# Altium PCB Hydrophone2012.PcbDoc (part 2 of 3)
Units mil, origin at the board's own origin, x right, y up, seen from the top; angles counter-clockwise.
Board outline 4800 x 2625 mil, 4 copper layers (Top Layer, PWR, GND, Bottom Layer); 354 components, 154 nets, 1267 pads, 483 vias.
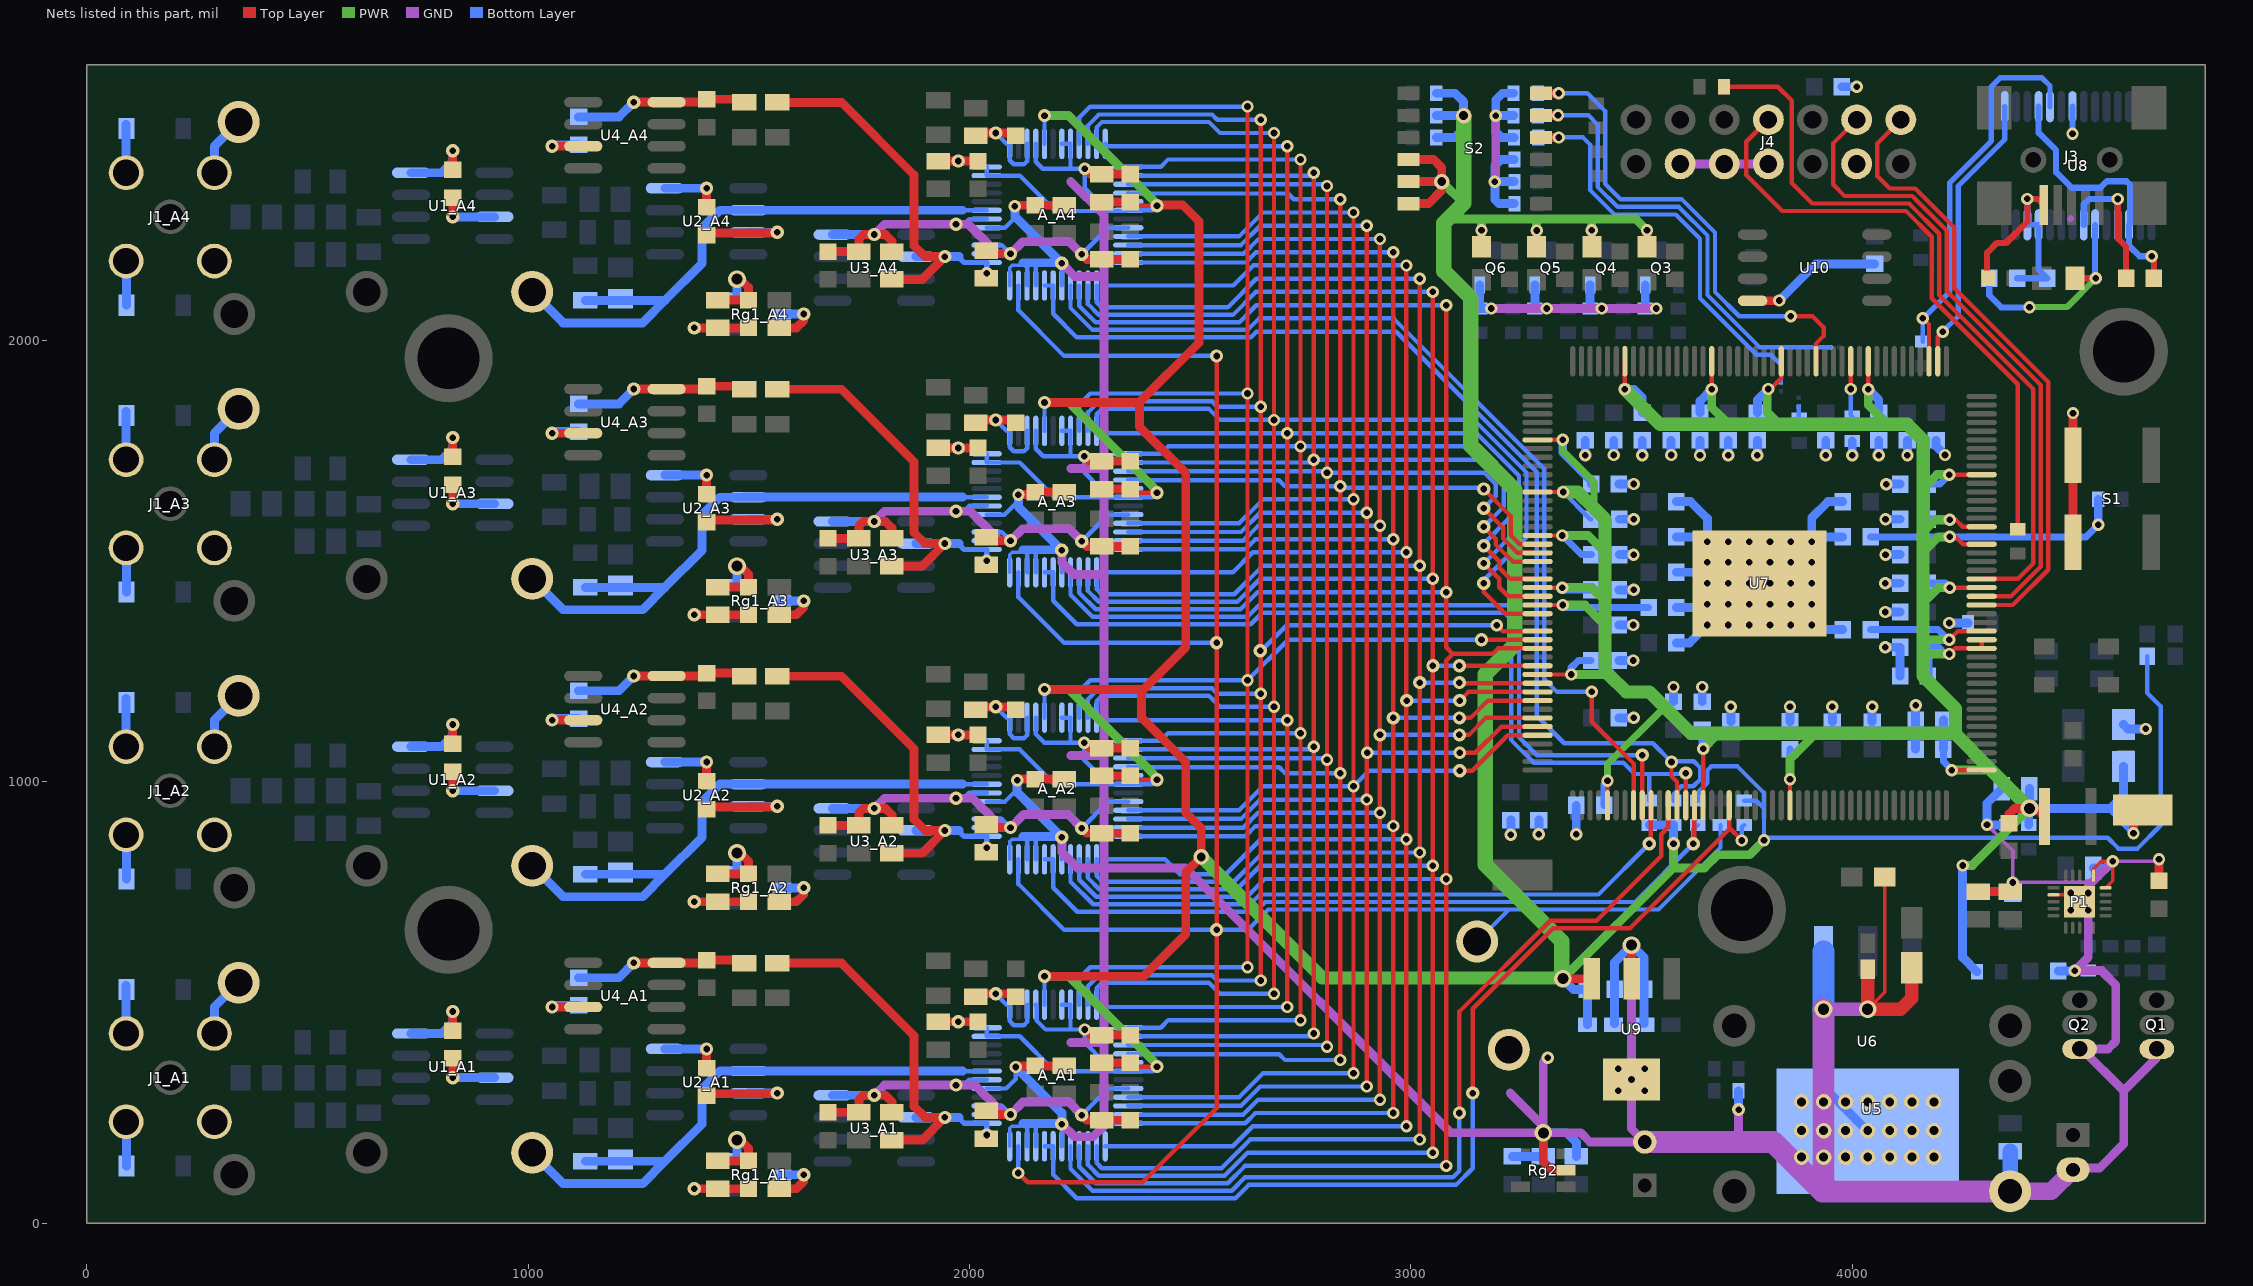
[diagram p4: the nets of this part, all layers, seen from the top]

## Via types
v1: diameter 28, hole 15, Top Layer to Bottom Layer, tented both sides, 277 vias
v2: diameter 30, hole 15, Top Layer to Bottom Layer, tented both sides, 161 vias
v3: diameter 35, hole 20, Top Layer to Bottom Layer, tented both sides, 25 vias
v4: diameter 40, hole 25, Top Layer to Bottom Layer, tented both sides, 14 vias
v5: diameter 28, hole 15, Top Layer to Bottom Layer, 3 vias
v6: diameter 28, hole 15, Top Layer to Bottom Layer, tented bottom, 1 vias
v7: diameter 28, hole 15, Top Layer to Bottom Layer, tented top, 1 vias
v8: diameter 30, hole 15, Top Layer to Bottom Layer, 1 vias

## Nets (pads, with @x,y where several pads share a name; then routed paths per layer and width w, separated by ;. In a path a pad name is that pad's centre, name@x,y a point inside that pad or via, vN(x,y) a via of type N, cw(c..) or ccw(c..) an arc to the next point about the centre after c; other vN are vias at no path point)
3.3V: A_A1.5 A_A1.18 A_A1.47 A_A1.48 A_A2.5 A_A2.18 A_A2.47 A_A2.48 A_A3.5 A_A3.18 A_A3.47 A_A3.48 A_A4.5 A_A4.18 A_A4.47 A_A4.48 C8_A1.2 C8_A2.2 C8_A3.2 C8_A4.2 C9_A1.2 C9_A2.2 C9_A3.2 C9_A4.2 C43.1 C45.2 L1.2 L2.2 L3.2 L4.2 R19.2 R32.1 R33.1 R34.1 R41.2 R42.2 R43.2 R44.2 S2.4 S2.5 S2.6 U9.3 | length 13707.4
  Top Layer w10: v2@2169.5,560 v2(2169.97,559.53) ; v2@2169.5,1210 v2(2169.97,1209.53) ; v2@2169.5,1860 v2(2169.97,1859.53) ; v2@2169.5,2510 v2(2169.97,2509.53) ; C9_A1.2@2364.5,363.5 C9_A1.2@2373,355 ; C9_A2.2@2364.5,1013.5 C9_A2.2@2373,1005 ; C9_A3.2@2364.5,1663.5 C9_A3.2@2373,1655 ; C9_A4.2@2364.5,2313.5 C9_A4.2@2373,2305 ; C9_A1.2@2365,360 2370,355 C9_A1.2@2373,355 ; C9_A2.2@2365,1010 2370,1005 C9_A2.2@2373,1005 ; C9_A3.2@2365,1660 2370,1655 C9_A3.2@2373,1655 ; C9_A4.2@2365,2310 2370,2305 C9_A4.2@2373,2305 ; v2@2425,360 v2(2425,355) C9_A1.2@2373,355 ; v2@2425,1010 v2(2425,1005) C9_A2.2@2373,1005 ; v2@2425,1660 v2(2425,1655) C9_A3.2@2373,1655 ; v2@2425,2310 v2(2425,2305) C9_A4.2@2373,2305 ; v1@3799.84,867.36 v1(3800,867.52)
  Top Layer w20: v2(2169.97,559.53) 2394.53,559.53 2490,655 2490,795 v3(2525,830) 2525,895 2490,930 2490,1045 2390,1145 2390,1205 ; v2(2169.97,1209.53) 2385.47,1209.53 2390,1205 ; v2(2169.97,1859.53) 2384.53,1859.53 2385,1860 ; C8_A1.2@2299.5,363.5 C9_A1.2@2364.5,363.5 ; C8_A2.2@2299.5,1013.5 C9_A2.2@2364.5,1013.5 ; C8_A3.2@2299.5,1663.5 C9_A3.2@2364.5,1663.5 ; C8_A4.2@2299.5,2313.5 C9_A4.2@2364.5,2313.5 ; v2(2425,2305) 2427,2307 2483,2307 2520,2270 2520,1995 2385,1860 ; S2.6@2995,2310 3040,2310 3070,2340 v3(3070,2360) ; S2.5@2995,2360 v3(3070,2360) ; S2.4@2995,2410 3051.5,2410 3070,2391.5 v3(3070,2360) ; L4.2@3160,2212.4 v1(3160,2250) ; L3.2@3285,2212.4 v1(3285,2249.08) ; v4(3344.17,554.17) U9.3@3409.45,554.17 ; L2.2@3410,2212.4 v1(3410,2249.45) ; L1.2@3535,2212.4 v1(3535,2250) ; 2385,1860 2385,1805 2490,1700 2490,1305 2390,1205
  PWR w20: v2(2169.97,559.53) 2224.66,559.53 v2@2417.19,367 ; v2(2169.97,1209.53) 2224.66,1209.53 v2@2417.19,1017 ; v2(2169.97,1859.53) 2224.66,1859.53 v2@2417.19,1667 ; v2(2169.97,2509.53) 2224.66,2509.53 v2@2417.19,2317 ; v3(3070,2360) 3119.53,2310.47 ; 3084.06,2275 3160,2275 ; v1(3160,2250) 3160,2275 ; v1(3285,2249.08) 3285,2275 ; v4(3344.17,554.17) 3595,805 ; v1(3410,2249.45) 3410,2275 ; v1(3535,2250) 3510,2275 3410,2275 ; v2(3595,860) 3595,805 ; v1(3800,867.52) 3767.48,835 3695,835 3665,805 3595,805 ; 3160,2275 3285,2275 ; 3285,2275 3410,2275
  PWR w30: v3(2525,830) 2799,556 3342.35,556 v4(3344.17,554.17)
  PWR w35: v3(3119.53,2509.53) 3119.53,2310.47 3084.06,2275 3075,2265.94 3075,2157 3136,2096 3136,1761.47 3235,1662.47 3235,1310 3169,1244 3169,812 3342.35,638.65 v4@3342.35,556
  Bottom Layer w10: A_A1.48@2039.07,443.27 A_A1.47@2039.07,423.58 2114.2,423.58 2192.94,344.84 A_A1.18@2359.93,344.84 2414.84,344.84 v2(2425,355) ; A_A2.48@2039.07,1093.27 A_A2.47@2039.07,1073.58 2114.1,1073.58 2192.84,994.84 A_A2.18@2359.93,994.84 2414.84,994.84 v2(2425,1005) ; A_A3.48@2039.07,1743.27 A_A3.47@2039.07,1723.58 2114.1,1723.58 2192.84,1644.84 A_A3.18@2359.93,1644.84 2414.84,1644.84 v2(2425,1655) ; A_A4.48@2039.07,2393.27 A_A4.47@2039.07,2373.58 2114.1,2373.58 2194.3,2293.39 2358.48,2293.39 A_A4.18@2359.93,2294.84 2414.84,2294.84 v2(2425,2305) ; A_A1.5@2169.97,495.43 v2(2169.97,559.53) ; A_A2.5@2169.97,1145.43 v2(2169.97,1209.53) ; A_A3.5@2169.97,1795.43 v2(2169.97,1859.53) ; A_A4.5@2169.97,2445.43 v2(2169.97,2509.53) ; R44.2@3650,957.56 3650,975.96 3672,997.96 3672,1026.21 3680.79,1035 3740,1035 3800,975 3800,940 ; R41.2@3755,957.56 3782.44,957.56 3800,940 ; R19.2@4668.5,1285 4668.5,1201.5 4699,1171 4699,901.78 4646.22,849 4603,849 4578.78,873.22 3805.7,873.22 v1(3800,867.52) 3800,940
  Bottom Layer w20: R34.1@3057.56,2460 3100,2460 3119.53,2479.53 v3(3119.53,2509.53) ; R33.1@3057.56,2509.53 v3(3119.53,2509.53) ; R32.1@3057.56,2560 3100,2560 3119.53,2540.47 v3(3119.53,2509.53) ; v4(3344.17,554.17) 3368.35,530 C45.2@3398.5,530 3400.47,528.03 C43.1@3400.47,450 ; R43.2@3540,902.44 R42.2@3595,902.44 v2(3595,860)
3.3V-USB: C49.2 U8.4 U8.17 | length 608.9
  Top Layer w14: v1(4678.13,2190.86) 4683.29,2185.7 C49.2@4683.29,2140.86
  Bottom Layer w14: U8.4@4422.23,2529.72 4422.23,2470.43 4461.8,2430.86 4461.8,2380.86 4496.8,2345.86 4561.8,2345.86 4576.8,2360.86 4621.17,2360.86 4629.36,2352.66 4629.36,2264.41 U8.17@4626.95,2262 4626.95,2214.91 4651.01,2190.86 v1(4678.13,2190.86)
5V-USB: C50.2 C51.2 FB1.2 U8.20 | length 534.9
  Top Layer w14: FB1.2@4504.2,2140.86 v1(4551.8,2140.86)
  PWR w14: v1(4401.5,2075) 4402.35,2075.86 4486.8,2075.86 v1(4551.8,2140.86)
  Bottom Layer w14: C50.2@4310.3,2140.86 4310.3,2102.35 4337.65,2075 v1(4401.5,2075) ; C51.2@4504.91,2140.86 v1(4551.8,2140.86) 4550.18,2142.47 U8.20@4550.18,2262
ADC_CS1: A_A1.31 A_A1.32 R41.1 U7.107 | length 2327.1
  Top Layer w10: v2(3140,295) 3140,485.96 3322.79,668.75 3496.43,668.75 3721.1,893.43 3721.1,896.26 ; U7.107@3721.1,947.05 3721.1,896.26 ; v1(3750,867.36) 3721.1,896.26
  Bottom Layer w10: A_A1.32@2169.97,174.57 A_A1.31@2189.66,174.57 2189.66,110.34 2243,57 2602.5,57 2632.5,87 3102.19,87 3140,124.81 v2(3140,295) ; v1(3750,867.36) 3750,897.44 R41.1@3755,902.44
ADC_CS2: A_A2.31 A_A2.32 R44.1 U7.103 | length 1750.5
  Top Layer w10: v2@3640,865 3642.36,867.36 U7.103@3642.36,947.05
  Bottom Layer w10: A_A2.32@2169.97,824.57 A_A2.31@2189.66,824.57 2189.66,760.34 2244.37,705.63 2647.63,705.63 2670,728 3508,728 v2(3640,860) 3640,892.44 R44.1@3650,902.44
ADC_CS3: A_A3.31 A_A3.32 R43.1 U7.102 | length 1995.2
  Top Layer w10: U7.102@3622.68,947.05 v2(3622.68,1020)
  Bottom Layer w10: A_A3.32@2169.97,1474.57 A_A3.31@2189.66,1474.57 2189.66,1410.34 2243,1357 2637.11,1357 2663.11,1383 3212,1383 3227,1368 3227,1095.02 3278.27,1043.75 3481.25,1043.75 3507,1018 3540,1018 ; R43.1@3540,957.56 3540,1018 ; v2(3622.68,1020) 3620.68,1018 3540,1018
ADC_CS4: A_A4.31 A_A4.32 R42.1 U7.101 | length 2529.9
  Top Layer w10: v2(3590.47,1045) 3590.47,1013.03 3602.99,1000.51 U7.101@3602.99,947.05
  Bottom Layer w10: A_A4.32@2169.97,2124.57 A_A4.31@2189.66,2124.57 2189.66,2060.34 2243,2007 2637.11,2007 2650.11,2020 2966.9,2020 3285,1701.9 3285,1150 3347.25,1087.75 3547.72,1087.75 v2(3590.47,1045) 3592.47,1047 3640.68,1047 3655,1032.68 3655,1005 3640,990 3612.56,990 3595,972.44 R42.1@3595,957.56
AGND_A1: A_A1.1 A_A1.3 A_A1.20 A_A1.38 A_A1.39 A_A1.42 C6_A1.2 C7_A1.1 C10_A1.2 C11_A1.1 C12_A1.1 C13_A1.1 C14_A1.1 C15_A1.1 C16_A1.1 C17_A1.1 C18_A1.1 C19_A1.1 C20_A1.1 C21_A1.2 C24_A1.1 C25_A1.1 C26_A1.1 D1_A1.1 D2_A1.2 J1_A1.2 NT_A1.2 R8_A1.2 Rg1_A1.2 T1_A1.1 U1_A1.4 U2_A1.4 U3_A1.4 U4_A1.4 | length 2955.7
  Top Layer w20: C6_A1.2@829.5,436.5 v2(829.5,480) ; v2(1239.5,590) U4_A1.4@1313.99,590 C20_A1.1@1403,590 ; v2(1376.5,78.5) C25_A1.1@1429.5,78.5 C26_A1.1@1499.5,78.5 ; C7_A1.1@1404.5,351.5 v2(1404.5,395) ; C20_A1.1@1404.5,596.5 R8_A1.2@1482.37,596.5 ; C24_A1.1@1569.5,78.5 1608,78.5 1624.5,95 v2(1624.5,110) ; C10_A1.2@1679.5,251.5 C11_A1.1@1749.5,251.5 1749.5,280 1759.5,290 v2(1784.5,290) 1809.5,290 1824.5,275 C12_A1.1@1824.5,251.5 ; C16_A1.1@1929.5,456.5 v2(1974.5,456.5) C17_A1.1@2019.5,456.5 ; C18_A1.1@2021,520 v2(2059.5,520) 2098,520 C19_A1.1@2104.5,513.5 ; C15_A1.1@2038,254.5 2046.08,246.42 v2(2093.08,246.42) v2@2096.67,250 ; v2(2254.39,245.17) 2266.06,233.5 C13_A1.1@2299.5,233.5 C14_A1.1@2364.5,233.5
  GND w20: v2(1784.5,290) 1807.66,313.16 v2(1969.5,313.16) 2012.67,313.16 2079.41,246.42 v2(2093.08,246.42) 2121.67,275 2224.56,275 v2(2254.39,245.17)
  Bottom Layer w10: v2(1969.5,313.16) 1971.34,315 1989.5,315 1999.66,325.16 A_A1.42@2039.07,325.16 ; A_A1.38@2039.07,246.42 v2(2093.08,246.42) 2073.4,266.1 A_A1.39@2039.07,266.1 ; v2(2059.5,520) 2084.07,495.43 A_A1.1@2091.23,495.43 2091.23,458.27 2100.52,448.98 2123.48,448.98 2130.6,456.1 A_A1.3@2130.6,495.43 ; v2(2254.39,245.17) 2314.69,305.47 A_A1.20@2359.93,305.47
  Bottom Layer w20: J1_A1.2@89.5,430 D1_A1.1@89.5,539.5 ; D2_A1.2@90,130 J1_A1.2@90,229.5 ; J1_A1.2@289.5,430 289.5,490 T1_A1.1@344.5,545 ; U1_A1.4@735.01,430 804.5,430 829.5,455 v2(829.5,480) ; C21_A1.2@1114.5,556.5 1206,556.5 v2(1239.5,590) ; U2_A1.4@1310.01,395 v2@1399.5,395 ; Rg1_A1.2@1575.68,110 v2(1624.5,110) ; U3_A1.4@1690.01,290 v2(1784.5,290)
AGND_A2: A_A2.1 A_A2.3 A_A2.20 A_A2.38 A_A2.39 A_A2.42 C6_A2.2 C7_A2.1 C10_A2.2 C11_A2.1 C12_A2.1 C13_A2.1 C14_A2.1 C15_A2.1 C16_A2.1 C17_A2.1 C18_A2.1 C19_A2.1 C20_A2.1 C21_A2.2 C24_A2.1 C25_A2.1 C26_A2.1 D1_A2.1 D2_A2.2 J1_A2.2 NT_A2.2 R8_A2.2 Rg1_A2.2 T1_A2.1 U1_A2.4 U2_A2.4 U3_A2.4 U4_A2.4 | length 2956.4
  Top Layer w20: C6_A2.2@829.5,1086.5 v2(829.5,1130) ; v2(1239.5,1240) C20_A2.1@1403,1240 ; v2(1376.5,728.5) C25_A2.1@1429.5,728.5 C26_A2.1@1499.5,728.5 ; C7_A2.1@1404.5,1001.5 v2(1404.5,1045) ; C20_A2.1@1404.5,1246.5 R8_A2.2@1482.37,1246.5 ; C24_A2.1@1569.5,728.5 1608,728.5 1624.5,745 v2(1624.5,760) ; C10_A2.2@1679.5,901.5 C11_A2.1@1749.5,901.5 1749.5,930 1759.5,940 v2(1784.5,940) 1809.5,940 1824.5,925 C12_A2.1@1824.5,901.5 ; C16_A2.1@1929.5,1106.5 v2(1974.5,1106.5) C17_A2.1@2019.5,1106.5 ; C18_A2.1@2021,1170 v2(2059.5,1170) 2098,1170 C19_A2.1@2104.5,1163.5 ; C15_A2.1@2038,903.5 2045.08,896.42 v2(2093.08,896.42) v2@2096.67,900 ; v2(2254.39,895.17) 2266.06,883.5 C13_A2.1@2299.5,883.5 C14_A2.1@2364.5,883.5
  GND w20: v2(1784.5,940) 1807.66,963.16 v2(1969.5,963.16) 2007.04,963.16 2073.78,896.42 v2(2093.08,896.42) 2123.05,926.38 2223.18,926.38 v2(2254.39,895.17)
  Bottom Layer w10: v2(1969.5,963.16) 1971.34,965 1989.5,965 1999.66,975.16 A_A2.42@2039.07,975.16 ; A_A2.38@2039.07,896.42 v2(2093.08,896.42) 2073.4,916.1 A_A2.39@2039.07,916.1 ; v2(2059.5,1170) 2084.07,1145.43 A_A2.1@2091.23,1145.43 2091.23,1108.27 2100.52,1098.98 2123.48,1098.98 2130.6,1106.1 A_A2.3@2130.6,1145.43 ; v2(2254.39,895.17) 2314.69,955.47 A_A2.20@2359.93,955.47
  Bottom Layer w20: J1_A2.2@89.5,1080 D1_A2.1@89.5,1189.5 ; D2_A2.2@90,780 J1_A2.2@90,879.5 ; J1_A2.2@289.5,1080 289.5,1140 T1_A2.1@344.5,1195 ; U1_A2.4@735.01,1080 804.5,1080 829.5,1105 v2(829.5,1130) ; C21_A2.2@1114.5,1206.5 1206,1206.5 v2(1239.5,1240) ; U2_A2.4@1310.01,1045 v2@1399.5,1045 ; Rg1_A2.2@1575.68,760 v2(1624.5,760) ; U3_A2.4@1690.01,940 v2(1784.5,940)
AGND_A3: A_A3.1 A_A3.3 A_A3.20 A_A3.38 A_A3.39 A_A3.42 C6_A3.2 C7_A3.1 C10_A3.2 C11_A3.1 C12_A3.1 C13_A3.1 C14_A3.1 C15_A3.1 C16_A3.1 C17_A3.1 C18_A3.1 C19_A3.1 C20_A3.1 C21_A3.2 C24_A3.1 C25_A3.1 C26_A3.1 D1_A3.1 D2_A3.2 J1_A3.2 NT_A3.2 R8_A3.2 Rg1_A3.2 T1_A3.1 U1_A3.4 U2_A3.4 U3_A3.4 U4_A3.4 | length 2954.6
  Top Layer w20: C6_A3.2@829.5,1736.5 v2(829.5,1780) ; v2(1239.5,1890) U4_A3.4@1313.99,1890 C20_A3.1@1403,1890 ; v2(1376.5,1378.5) C25_A3.1@1429.5,1378.5 C26_A3.1@1499.5,1378.5 ; C7_A3.1@1404.5,1651.5 v2(1404.5,1695) ; C20_A3.1@1404.5,1896.5 R8_A3.2@1482.37,1896.5 ; C24_A3.1@1569.5,1378.5 1608,1378.5 1624.5,1395 v2(1624.5,1410) ; C10_A3.2@1679.5,1551.5 C11_A3.1@1749.5,1551.5 1749.5,1580 1759.5,1590 v2(1784.5,1590) 1809.5,1590 1824.5,1575 C12_A3.1@1824.5,1551.5 ; C16_A3.1@1929.5,1756.5 v2(1974.5,1756.5) C17_A3.1@2019.5,1756.5 ; C18_A3.1@2021,1820 v2(2059.5,1820) 2098,1820 C19_A3.1@2104.5,1813.5 ; C15_A3.1@2038,1554.5 2046.08,1546.42 v2(2093.08,1546.42) v2@2096.67,1550 ; v2(2254.39,1545.17) 2266.06,1533.5 C13_A3.1@2299.5,1533.5 C14_A3.1@2364.5,1533.5
  GND w20: v2(1784.5,1590) 1807.66,1613.16 v2(1969.5,1613.16) 2002.05,1613.16 2068.79,1546.42 v2(2093.08,1546.42) 2120.35,1573.69 2225.87,1573.69 v2(2254.39,1545.17)
  Bottom Layer w10: v2(1969.5,1613.16) 1971.34,1615 1989.5,1615 1999.66,1625.16 A_A3.42@2039.07,1625.16 ; A_A3.38@2039.07,1546.42 v2(2093.08,1546.42) 2073.4,1566.1 A_A3.39@2039.07,1566.1 ; v2(2059.5,1820) 2084.07,1795.43 A_A3.1@2091.23,1795.43 2091.23,1758.27 2100.52,1748.98 2123.48,1748.98 2130.6,1756.1 A_A3.3@2130.6,1795.43 ; v2(2254.39,1545.17) 2314.69,1605.47 A_A3.20@2359.93,1605.47
  Bottom Layer w20: J1_A3.2@89.5,1730 D1_A3.1@89.5,1839.5 ; D2_A3.2@90,1430 J1_A3.2@90,1529.5 ; J1_A3.2@289.5,1730 289.5,1790 T1_A3.1@344.5,1845 ; U1_A3.4@735.01,1730 804.5,1730 829.5,1755 v2(829.5,1780) ; C21_A3.2@1114.5,1856.5 1206,1856.5 v2(1239.5,1890) ; U2_A3.4@1310.01,1695 v2@1399.5,1695 ; Rg1_A3.2@1575.68,1410 v2(1624.5,1410) ; U3_A3.4@1690.01,1590 v2(1784.5,1590)
AGND_A4: A_A4.1 A_A4.3 A_A4.20 A_A4.38 A_A4.39 A_A4.42 C6_A4.2 C7_A4.1 C10_A4.2 C11_A4.1 C12_A4.1 C13_A4.1 C14_A4.1 C15_A4.1 C16_A4.1 C17_A4.1 C18_A4.1 C19_A4.1 C20_A4.1 C21_A4.2 C24_A4.1 C25_A4.1 C26_A4.1 D1_A4.1 D2_A4.2 J1_A4.2 NT_A4.2 R8_A4.2 Rg1_A4.2 T1_A4.1 U1_A4.4 U2_A4.4 U3_A4.4 U4_A4.4 | length 2954.2
  Top Layer w20: C6_A4.2@829.5,2386.5 v2(829.5,2430) ; v2(1239.5,2540) U4_A4.4@1313.99,2540 C20_A4.1@1403,2540 ; v2(1376.5,2028.5) C25_A4.1@1429.5,2028.5 C26_A4.1@1499.5,2028.5 ; C7_A4.1@1404.5,2301.5 v2(1404.5,2345) ; C20_A4.1@1404.5,2546.5 R8_A4.2@1482.37,2546.5 ; C24_A4.1@1569.5,2028.5 1608,2028.5 1624.5,2045 v2(1624.5,2060) ; C10_A4.2@1679.5,2201.5 C11_A4.1@1749.5,2201.5 1749.5,2230 1759.5,2240 v2(1784.5,2240) 1809.5,2240 1824.5,2225 C12_A4.1@1824.5,2201.5 ; C16_A4.1@1929.5,2406.5 v2(1974.5,2406.5) C17_A4.1@2019.5,2406.5 ; C18_A4.1@2021,2470 v2(2059.5,2470) 2098,2470 C19_A4.1@2104.5,2463.5 ; C15_A4.1@2038,2203.5 2045.08,2196.42 v2(2093.08,2196.42) v2@2096.67,2200 ; v2(2254.39,2195.17) 2266.06,2183.5 C13_A4.1@2299.5,2183.5 C14_A4.1@2364.5,2183.5
  GND w20: v2(1784.5,2240) 1807.66,2263.16 v2(1969.5,2263.16) 1997.5,2263.16 2064.24,2196.42 v2(2093.08,2196.42) 2120.35,2223.69 2225.87,2223.69 v2(2254.39,2195.17)
  Bottom Layer w10: v2(1969.5,2263.16) 1971.34,2265 1989.5,2265 1999.66,2275.16 A_A4.42@2039.07,2275.16 ; A_A4.38@2039.07,2196.42 v2(2093.08,2196.42) 2073.4,2216.1 A_A4.39@2039.07,2216.1 ; v2(2059.5,2470) 2084.07,2445.43 A_A4.1@2091.23,2445.43 2091.23,2408.27 2100.52,2398.98 2123.48,2398.98 2130.6,2406.1 A_A4.3@2130.6,2445.43 ; v2(2254.39,2195.17) 2314.69,2255.47 A_A4.20@2359.93,2255.47
  Bottom Layer w20: J1_A4.2@89.5,2380 D1_A4.1@89.5,2489.5 ; D2_A4.2@90,2080 J1_A4.2@90,2179.5 ; J1_A4.2@289.5,2380 289.5,2440 T1_A4.1@344.5,2495 ; U1_A4.4@735.01,2380 804.5,2380 829.5,2405 v2(829.5,2430) ; C21_A4.2@1114.5,2506.5 1206,2506.5 v2(1239.5,2540) ; U2_A4.4@1310.01,2345 v2@1399.5,2345 ; Rg1_A4.2@1575.68,2060 v2(1624.5,2060) ; U3_A4.4@1690.01,2240 v2(1784.5,2240)
ANSIG_A1: A_A1.43 C2_A1.1 R1_A1.1 T4_A1.1 U2_A1.6 | length 1391.7
  Bottom Layer w10: 1984.66,344.84 A_A1.43@2039.07,344.84
  Bottom Layer w20: T4_A1.1@1009.5,160 1079.5,90 1259.5,90 1310.13,140.63 ; R1_A1.1@1129.5,140.63 1310.13,140.63 ; 1984.66,345.16 1488.83,345.16 1434.5,345 1394.5,305 1394.5,225 1310.13,140.63
ANSIG_A2: A_A2.43 C2_A2.1 R1_A2.1 T4_A2.1 U2_A2.6 | length 1391.7
  Bottom Layer w10: 1984.66,994.84 A_A2.43@2039.07,994.84
  Bottom Layer w20: T4_A2.1@1009.5,810 1079.5,740 1259.5,740 1310.13,790.63 ; R1_A2.1@1129.5,790.63 1310.13,790.63 ; 1984.66,995.16 1488.83,995.16 1434.5,995 1394.5,955 1394.5,875 1310.13,790.63
ANSIG_A3: A_A3.43 C2_A3.1 R1_A3.1 T4_A3.1 U2_A3.6 | length 1391.7
  Bottom Layer w10: 1984.66,1644.84 A_A3.43@2039.07,1644.84
  Bottom Layer w20: T4_A3.1@1009.5,1460 1079.5,1390 1259.5,1390 1310.13,1440.63 ; R1_A3.1@1129.5,1440.63 1310.13,1440.63 ; 1984.66,1645.16 1488.83,1645.16 1434.5,1645 1394.5,1605 1394.5,1525 1310.13,1440.63
ANSIG_A4: A_A4.43 C2_A4.1 R1_A4.1 T4_A4.1 U2_A4.6 | length 1391.7
  Bottom Layer w10: 1984.66,2294.84 A_A4.43@2039.07,2294.84
  Bottom Layer w20: T4_A4.1@1009.5,2110 1079.5,2040 1259.5,2040 1310.13,2090.63 ; R1_A4.1@1129.5,2090.63 1310.13,2090.63 ; 1984.66,2295.16 1488.83,2295.16 1434.5,2295 1394.5,2255 1394.5,2175 1310.13,2090.63
AVCC_A1: C6_A1.1 C7_A1.2 C21_A1.1 C25_A1.2 C26_A1.2 Rg1_A1.5 U1_A1.7 U2_A1.7 U4_A1.7 | length 662.9
  Top Layer w20: v2(829.5,330) C6_A1.1@829.5,373.5 ; v2(1054.5,490) U4_A1.7@1125.01,490 ; C7_A1.2@1404.5,293.5 v2@1558,293.5 ; C25_A1.2@1429.5,141.5 C26_A1.2@1499.5,141.5 1499.5,170 1480.68,188.82 v4(1473.32,188.82)
  Bottom Layer w20: v2(829.5,330) U1_A1.7@923.99,330 ; v2(1054.5,490) 1058,493.5 C21_A1.1@1114.5,493.5 ; Rg1_A1.5@1473.32,147.4 v4(1473.32,188.82) ; U2_A1.7@1498.99,295 v2(1564.5,295)
AVCC_A2: C6_A2.1 C7_A2.2 C21_A2.1 C25_A2.2 C26_A2.2 Rg1_A2.5 U1_A2.7 U2_A2.7 U4_A2.7 | length 662.9
  Top Layer w20: v2(829.5,980) C6_A2.1@829.5,1023.5 ; v2(1054.5,1140) U4_A2.7@1125.01,1140 ; C7_A2.2@1404.5,943.5 v2@1558,943.5 ; C25_A2.2@1429.5,791.5 C26_A2.2@1499.5,791.5 1499.5,820 1480.68,838.82 v4(1473.32,838.82)
  Bottom Layer w20: v2(829.5,980) U1_A2.7@923.99,980 ; v2(1054.5,1140) 1058,1143.5 C21_A2.1@1114.5,1143.5 ; Rg1_A2.5@1473.32,797.4 v4(1473.32,838.82) ; U2_A2.7@1498.99,945 v2(1564.5,945)
AVCC_A3: C6_A3.1 C7_A3.2 C21_A3.1 C25_A3.2 C26_A3.2 Rg1_A3.5 U1_A3.7 U2_A3.7 U4_A3.7 | length 662.9
  Top Layer w20: v2(829.5,1630) C6_A3.1@829.5,1673.5 ; v2(1054.5,1790) U4_A3.7@1125.01,1790 ; C7_A3.2@1404.5,1593.5 v2@1558,1593.5 ; C25_A3.2@1429.5,1441.5 C26_A3.2@1499.5,1441.5 1499.5,1470 1480.68,1488.82 v4(1473.32,1488.82)
  Bottom Layer w20: v2(829.5,1630) U1_A3.7@923.99,1630 ; v2(1054.5,1790) 1058,1793.5 C21_A3.1@1114.5,1793.5 ; Rg1_A3.5@1473.32,1447.4 v4(1473.32,1488.82) ; U2_A3.7@1498.99,1595 v2(1564.5,1595)
AVCC_A4: C6_A4.1 C7_A4.2 C21_A4.1 C25_A4.2 C26_A4.2 Rg1_A4.5 U1_A4.7 U2_A4.7 U4_A4.7 | length 662.9
  Top Layer w20: v2(829.5,2280) C6_A4.1@829.5,2323.5 ; v2(1054.5,2440) U4_A4.7@1125.01,2440 ; C7_A4.2@1404.5,2243.5 v2@1558,2243.5 ; C25_A4.2@1429.5,2091.5 C26_A4.2@1499.5,2091.5 1499.5,2120 1480.68,2138.82 v4(1473.32,2138.82)
  Bottom Layer w20: v2(829.5,2280) U1_A4.7@923.99,2280 ; v2(1054.5,2440) 1058,2443.5 C21_A4.1@1114.5,2443.5 ; Rg1_A4.5@1473.32,2097.4 v4(1473.32,2138.82) ; U2_A4.7@1498.99,2245 v2(1564.5,2245)
AVREF_A1: A_A1.37 C12_A1.2 C15_A1.2 R7_A1.1 U3_A1.6 | length 953.9
  Top Layer w20: R7_A1.1@1564.5,589.37 1710.13,589.37 1874.5,425 1874.5,265 1899.5,240 v2(1944.5,240) 1893,188.5 C12_A1.2@1824.5,188.5
  Bottom Layer w12: 1974.5,240 1987.77,226.73 A_A1.37@2039.07,226.73 v8(2039.07,200.07)
  Bottom Layer w20: U3_A1.6@1878.99,240 v2(1944.5,240) 1974.5,240 1976.34,240
AVREF_A2: A_A2.37 C12_A2.2 C15_A2.2 R7_A2.1 U3_A2.6 | length 952.9
  Top Layer w20: R7_A2.1@1564.5,1239.37 1710.13,1239.37 1874.5,1075 1874.5,915 1899.5,890 v2(1944.5,890) 1893,838.5 C12_A2.2@1824.5,838.5
  Bottom Layer w12: 1974.5,890 1987.77,876.73 A_A2.37@2039.07,876.73 v5(2039.07,851.07)
  Bottom Layer w20: U3_A2.6@1878.99,890 v2(1944.5,890) 1974.5,890 1976.34,890
AVREF_A3: A_A3.37 C12_A3.2 C15_A3.2 R7_A3.1 U3_A3.6 | length 952.9
  Top Layer w20: R7_A3.1@1564.5,1889.37 1710.13,1889.37 1874.5,1725 1874.5,1565 1899.5,1540 v2(1944.5,1540) 1893,1488.5 C12_A3.2@1824.5,1488.5
  Bottom Layer w12: 1974.5,1540 1987.77,1526.73 A_A3.37@2039.07,1526.73 v5(2039.07,1501)
  Bottom Layer w20: U3_A3.6@1878.99,1540 v2(1944.5,1540) 1974.5,1540 1976.34,1540
AVREF_A4: A_A4.37 C12_A4.2 C15_A4.2 R7_A4.1 U3_A4.6 | length 951.9
  Top Layer w20: R7_A4.1@1564.5,2539.37 1710.13,2539.37 1874.5,2375 1874.5,2215 1899.5,2190 v2(1944.5,2190) 1893,2138.5 C12_A4.2@1824.5,2138.5
  Bottom Layer w12: 1974.5,2190 1987.77,2176.73 A_A4.37@2039.07,2176.73 v5(2039.07,2152)
  Bottom Layer w20: U3_A4.6@1878.99,2190 v2(1944.5,2190) 1974.5,2190 1976.34,2190
BOOT0: NT2.1 R26.1 | length 25.6
  Bottom Layer w10: R26.1@3878.58,1824.41 NT2.1@3878.58,1850
BOOT1: NT3.1 R37.1 S2.10 | length 980.5
  Top Layer w20: S2.10@3295,2460 v1(3335,2460)
  Bottom Layer w10: v1(3335,2460) 3390,2460 3406,2444 3406,2340.92 3461.39,2285.53 3600.1,2285.53 3655,2230.63 3655,2095.96 3782.96,1968 3815.5,1968 3838.5,1945 3838.5,1922 ; NT3.1@3838.5,1905 3838.5,1920
  Bottom Layer w20: R37.1@3288.62,2460 v1(3335,2460)
BOOT2: NT1.1 R36.1 S2.11 | length 1080.4
  Top Layer w20: S2.11@3295,2510 v1(3333.5,2510)
  Bottom Layer w10: v1(3333.5,2510) 3402.47,2510 3423,2489.47 3423,2347.96 3468.43,2302.53 3607.14,2302.53 3672,2237.67 3672,2103 3790,1985 NT1.1@3950,1985
  Bottom Layer w20: R36.1@3287.56,2509.53 3333.03,2509.53 v1(3333.5,2510)
BOOT3: R27.1 U7.12 | length 126.8
  Top Layer w10: v1(3996.69,1890) U7.12@3996.69,1952.95
  Bottom Layer w10: v1(3996.69,1890) 3996.69,1830.87 R27.1@4000,1827.56
BOOT7: R35.1 S2.12 U7.16 | length 1166.6
  Top Layer w10: v1(3860.87,2055) 3910,2055 3935,2030 3935,2010 3917.95,1992.95 U7.16@3917.95,1952.95
  Top Layer w20: S2.12@3295,2560 v1(3335,2560)
  Bottom Layer w10: v1(3335,2560) 3400,2560 3440,2520 3440,2355 3475.47,2319.53 3614.19,2319.53 3689,2244.71 3689,2110.04 3744.04,2055 v1(3860.87,2055)
  Bottom Layer w20: R35.1@3287.56,2560 v1(3335,2560)
BUSY1: A_A1.29 U7.100 | length 2056.7
  Top Layer w10: v2(3110,250) 3110,480 3315.75,685.75 3420.75,685.75 3567,832 3567,881.37 3583.31,897.68 U7.100@3583.31,947.05
  Bottom Layer w10: A_A1.29@2229.03,174.57 2229.03,123.85 2278.88,74 2594,74 2624,104 3095.15,104 3110,118.85 v2(3110,250)